# Altium PCB PCB_power_unit_2.PcbDoc
Units mm, origin at the board's own origin, x right, y up, seen from the top; angles counter-clockwise.
Board outline 73.5 x 57.52 mm, 4 copper layers (Top Layer, INT1, INT2, Bottom Layer), stack 1.49 mm thick; 104 components, 48 nets, 347 pads, 126 vias.
Unrouted connection lines stored in the file: 109.
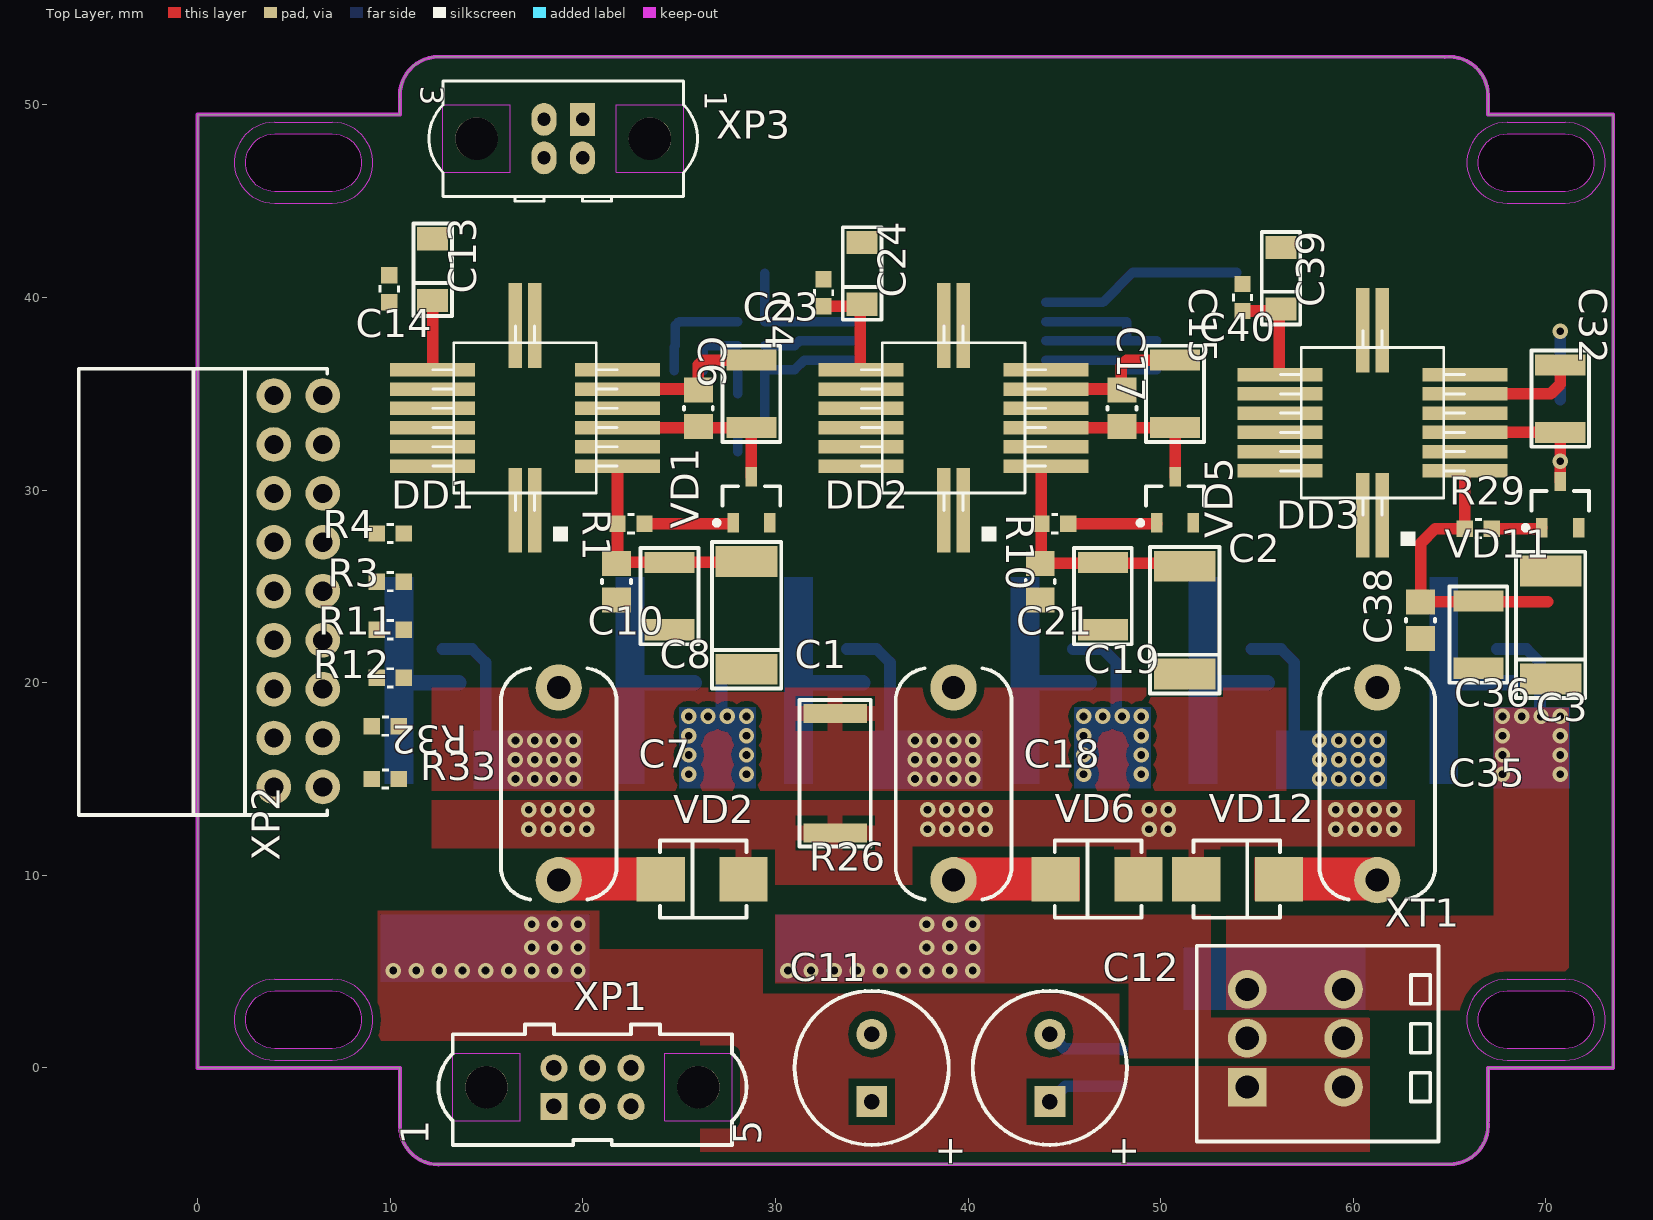
[diagram p0: Top Layer view]
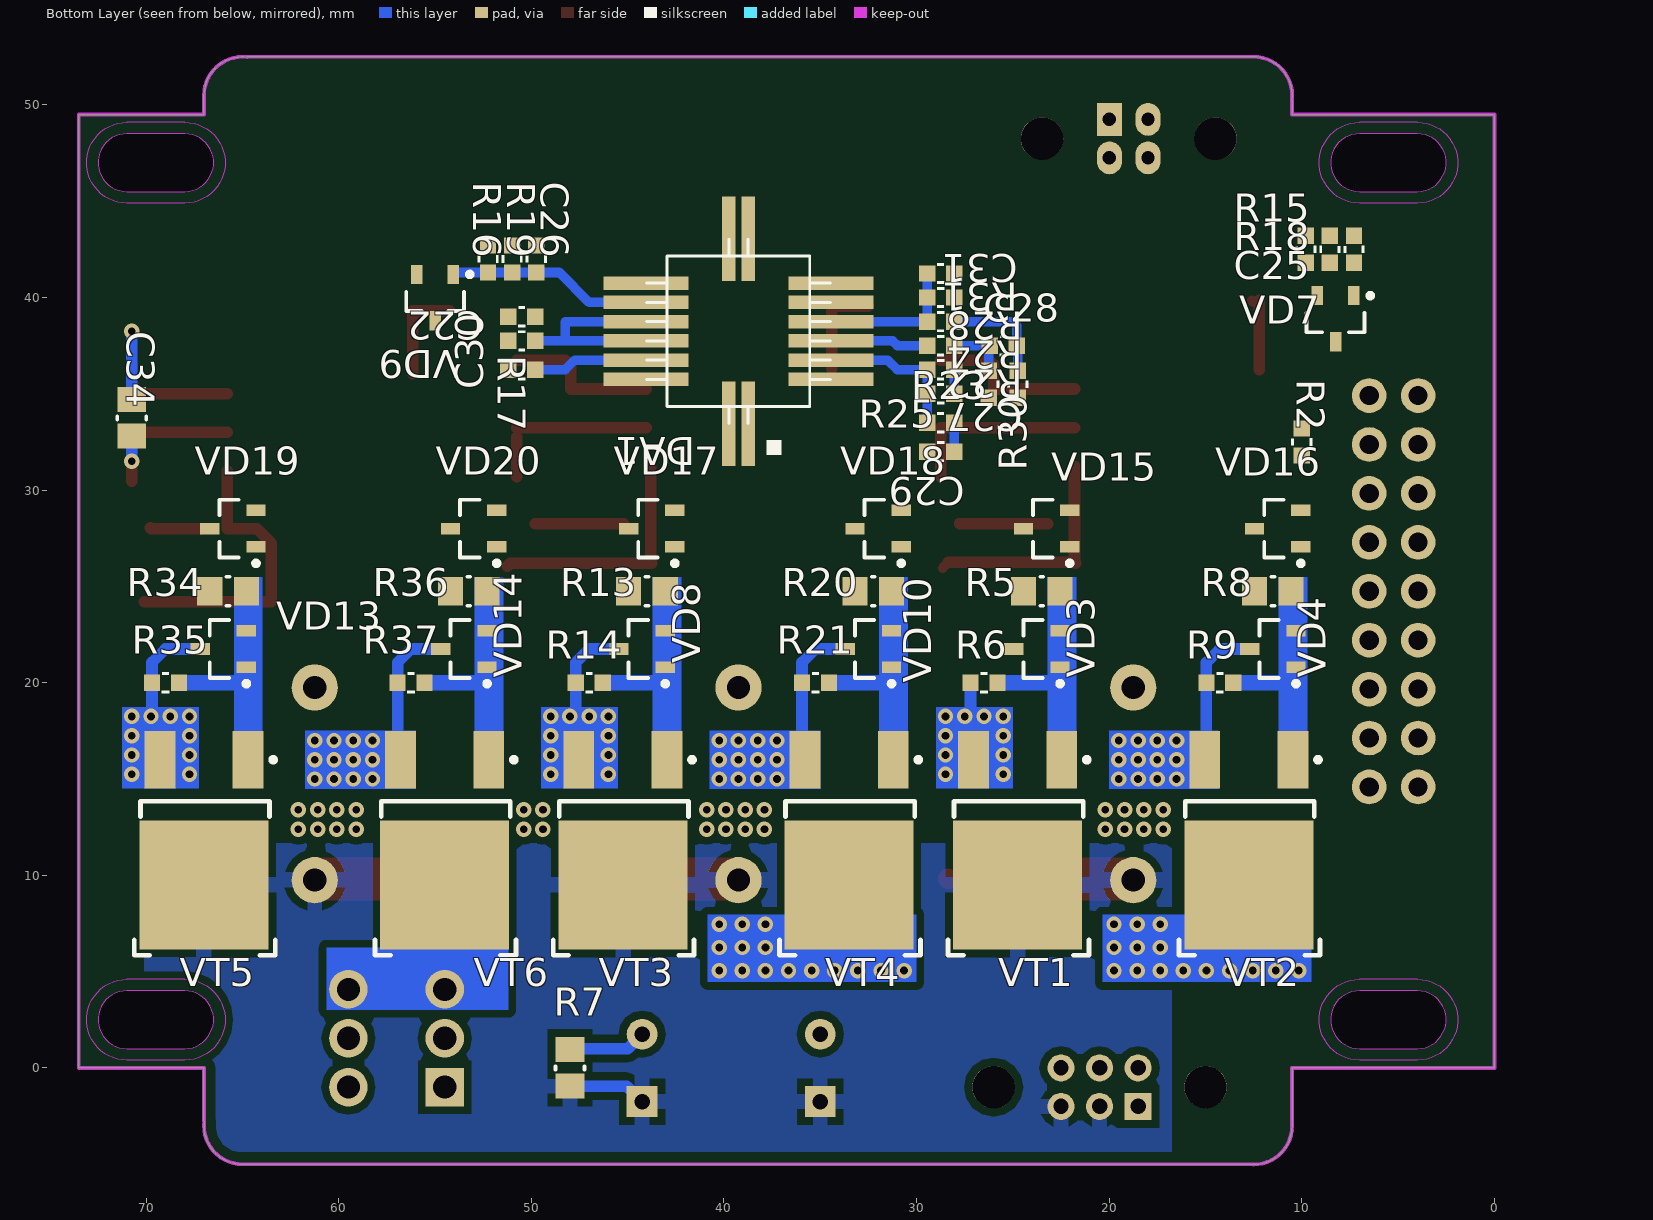
[diagram p1: Bottom Layer view, seen from below]
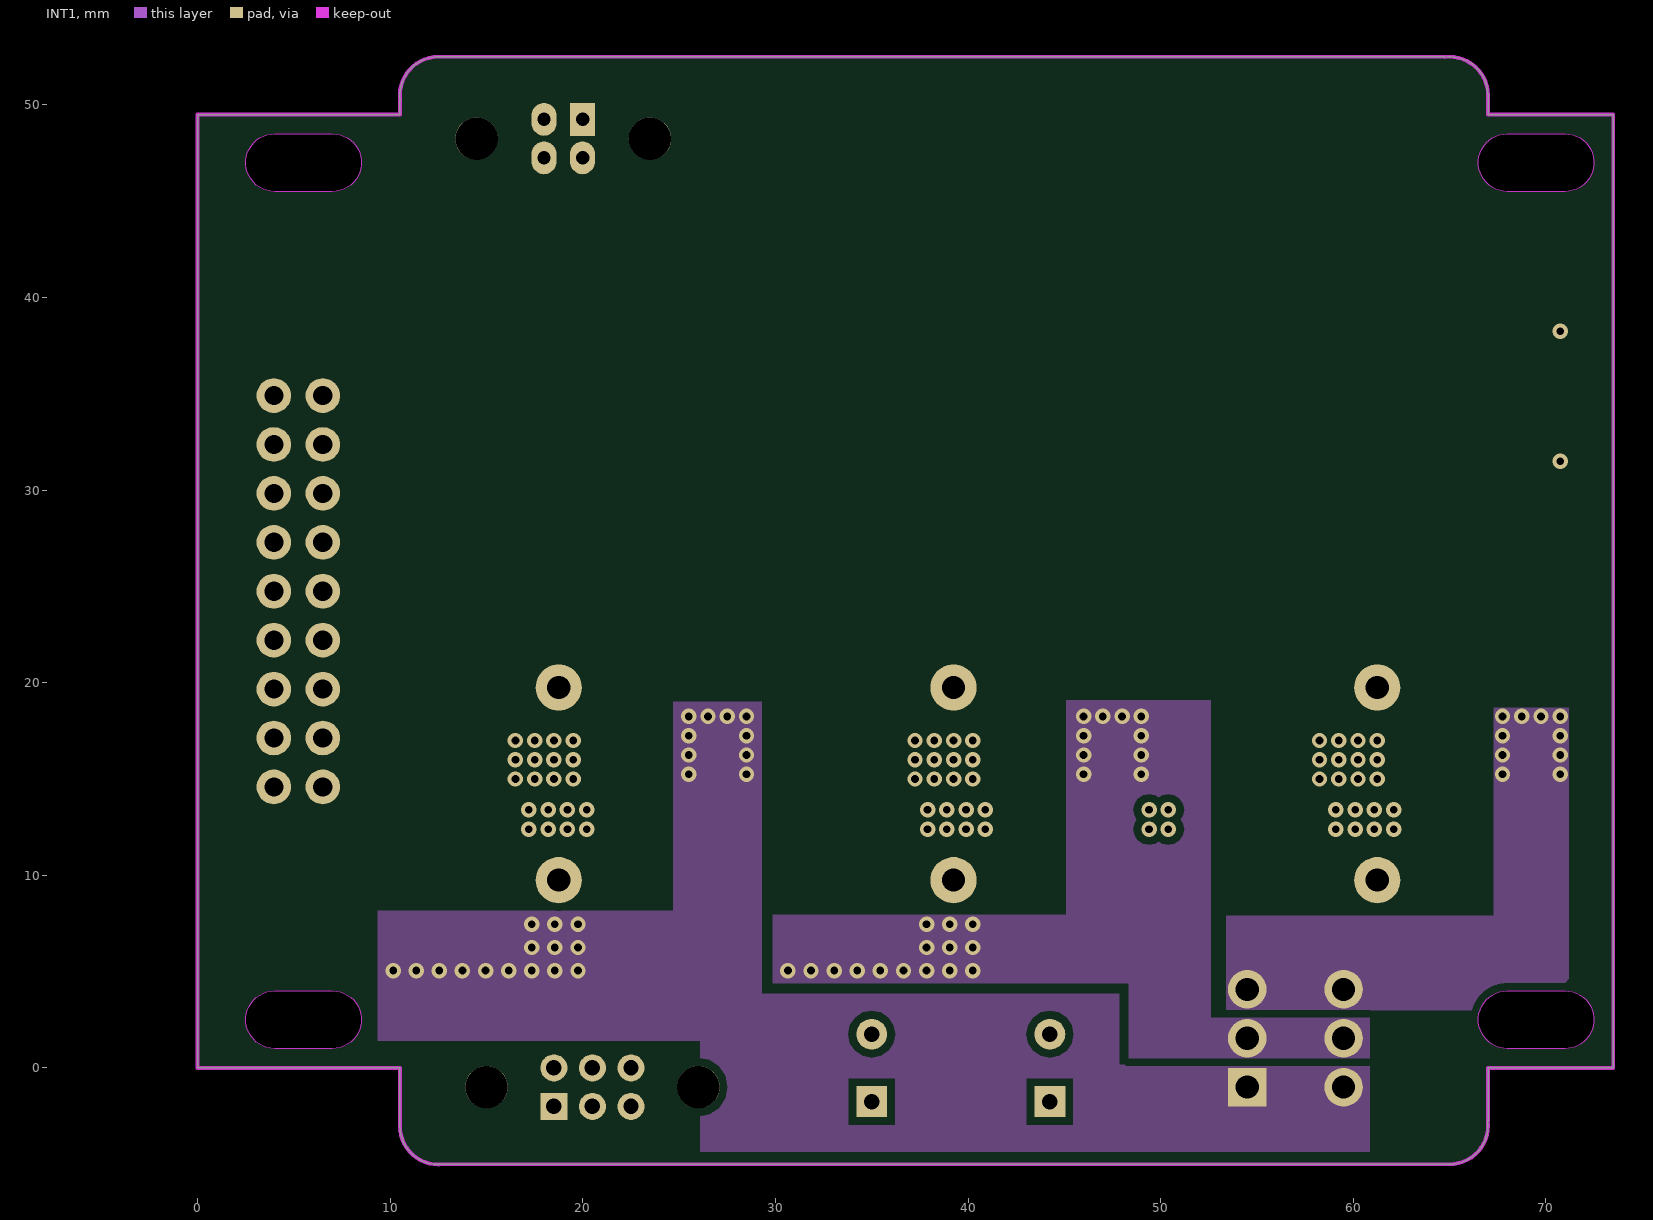
[diagram p2: INT1]
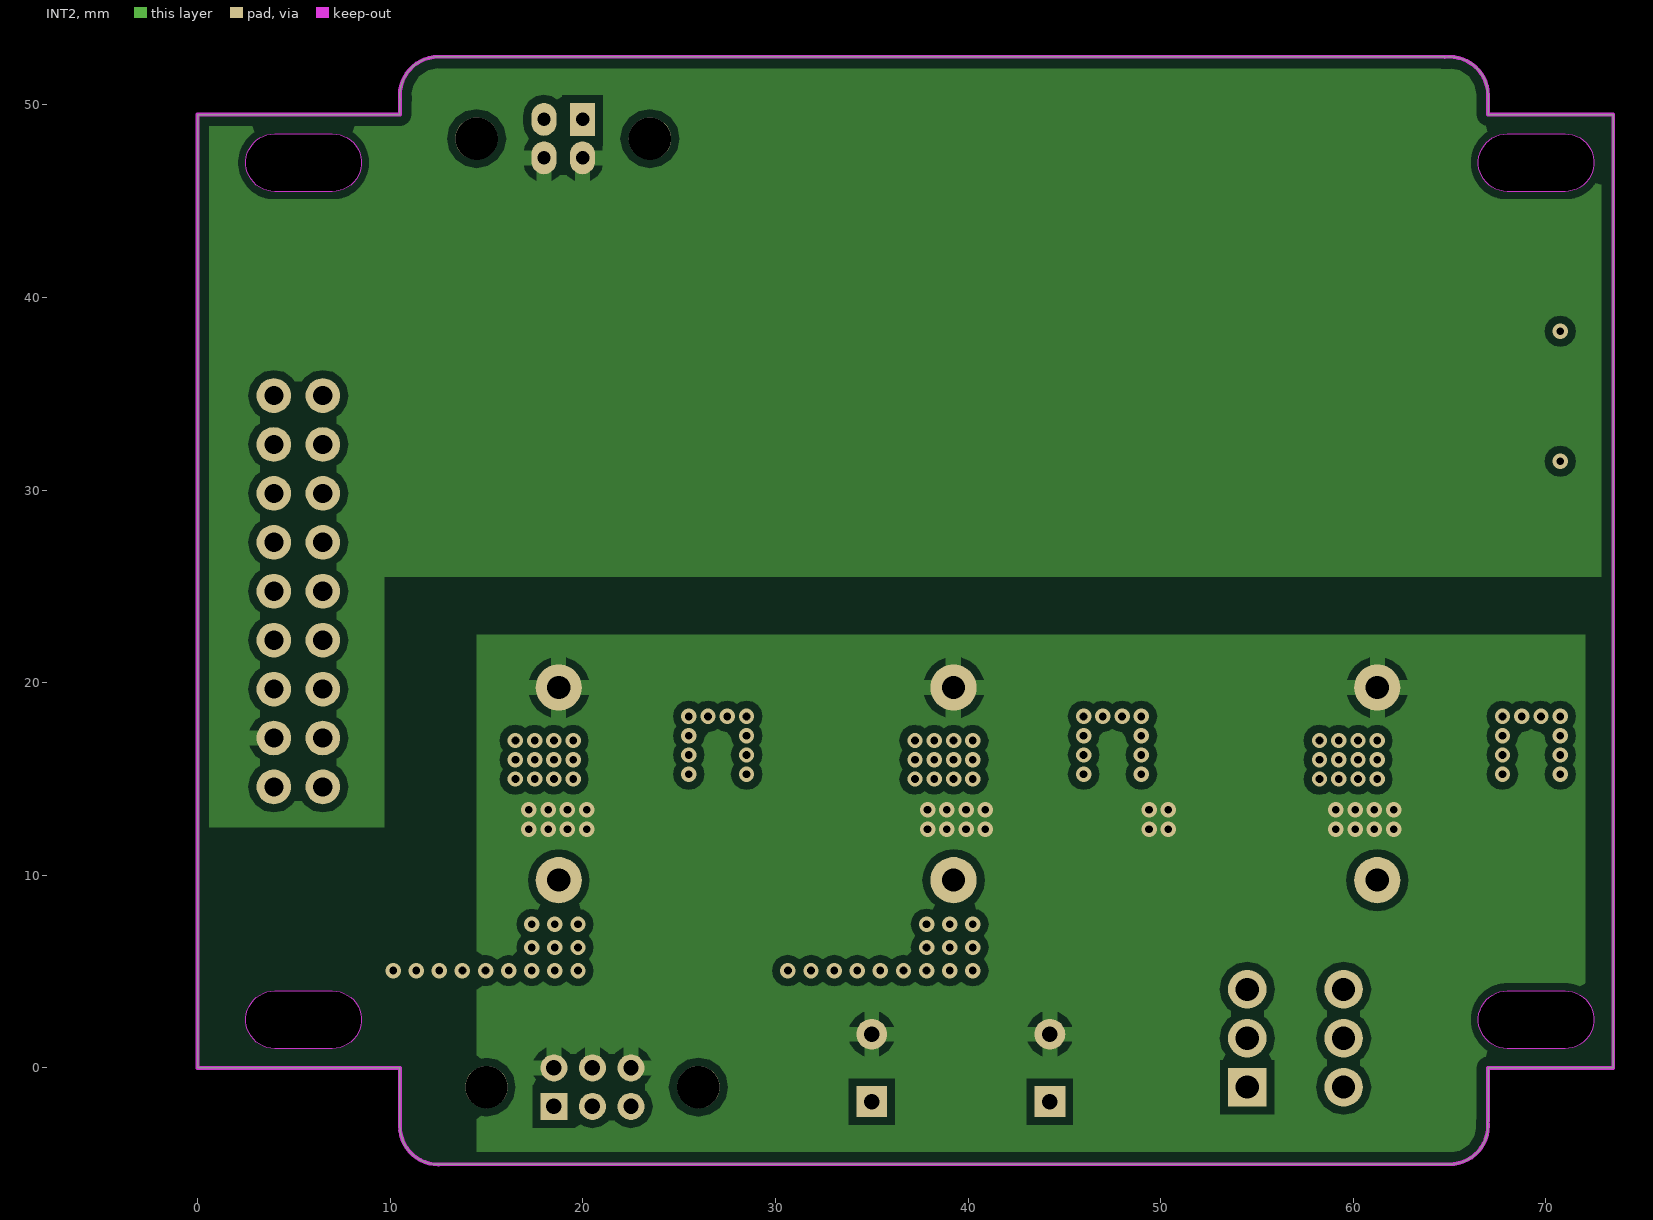
[diagram p3: INT2]

## Layer stack, top to bottom
Top Solder: solder mask 0.0102, Solder Resist, Dk 3.5
Top Layer: signal copper 0.035
PREPREG1: prepreg 0.32, 2116+7628, Dk 4.2
INT1: signal copper 0.035
CORE1: core 0.71, FR-4, Dk 4.2
INT2: signal copper 0.035
PREPREG2: prepreg 0.32, 2116+7628, Dk 4.2
Bottom Layer: signal copper 0.035
Bottom Solder: solder mask 0.0102, Solder Resist, Dk 3.5

## Board outline
10.5,-3.015 10.5,0 0,0 0,49.5 10.5,49.5 10.5,50.252 10.515,50.252 cw(c12.5,50.5) 12.5,52.5 64.752,52.5 64.752,52.485 cw(c65,50.5) 67,50.5 67,49.5 73.5,49.5 73.5,0 67,0 67,-2.752 66.985,-2.752 cw(c65,-3) 65,-5 12.75,-5 cw(c12.502,-3.015)
cut-out: 68,4.003 71,4.003 cw(c71,2.503) 71,1.003 68,1.003 cw(c68,2.503)
cut-out: 4,4.003 7,4.003 cw(c7,2.503) 7,1.003 4,1.003 cw(c4,2.503)
cut-out: 68,48.503 71,48.503 cw(c71,47.003) 71,45.503 68,45.503 cw(c68,47.003)
cut-out: 4,48.503 7,48.503 cw(c7,47.003) 7,45.503 4,45.503 cw(c4,47.003)

## Design rules (kind name [scope] priority, off if disabled: settings)
Clearance KeepOurLayer [OnLayer('Keep-Out Layer')] p1: gap=0.5 ignorepadtopadclearanceinfootprint=FALSE except(0: Arc-Hole Track-Hole SMDPad-Hole THPad-Hole Via-Hole Fill-Hole Poly-Hole Region-Hole Text-Hole)
Clearance "Clearance_+27V and PGND" [InNetClass('DCBUS') vs InNetClass('DCBUS')] p2: gap=0.5 ignorepadtopadclearanceinfootprint=FALSE // между 27В и PGND
Clearance Clearance_DCBUS-Phases [InNetClass('DCBUS') vs InNetClass('MotorPhases')] p3: gap=0.5 ignorepadtopadclearanceinfootprint=FALSE // между ЗПТ и фазами
Clearance Clearance_Polygon [InPolygon] p4: gap=0.4 ignorepadtopadclearanceinfootprint=FALSE except(0: Arc-Hole Track-Hole SMDPad-Hole THPad-Hole Via-Hole Fill-Hole Poly-Hole Region-Hole Text-Hole)
Clearance Clearance_Fill [IsFill] p5: gap=0 ignorepadtopadclearanceinfootprint=FALSE
Clearance Clearance_IsRegion [IsRegion] p6: gap=0 ignorepadtopadclearanceinfootprint=FALSE
Clearance Clearance_MultiLayerPad [OnLayer('Multi-Layer') and IsPad] p7: gap=0.25 ignorepadtopadclearanceinfootprint=FALSE
Clearance [All] p8: gap=0.2 ignorepadtopadclearanceinfootprint=FALSE except(0: Arc-Hole Track-Hole SMDPad-Hole THPad-Hole Via-Hole Fill-Hole Poly-Hole Region-Hole Text-Hole; 0.25: SMDPad-Via THPad-Via)
ComponentClearance ComponentClearance_harwin [InComponent('XP1')] p1: gap=0.254 collisioncheckmode=3 verticalgap=2540 showdistances=FALSE
ComponentClearance ComponentClearance_caps [HasFootprint('CAP: 1210') vs HasFootprint('CAP: 1210')] p2: gap=-1 collisioncheckmode=3 verticalgap=2540 showdistances=FALSE
ComponentClearance [All] p3: gap=0.254 collisioncheckmode=3 verticalgap=0.254 showdistances=FALSE
DiffPairsRouting [All] p1: maxlimit=0.254 minlimit=0.15 mostfreqgap=0.254 toplayer_minwidth=0.15 toplayer_maxwidth=0.381 toplayer_prefwidth=0.381 midlayer1_minwidth=0.15 midlayer1_maxwidth=0.381 midlayer1_prefwidth=0.381 midlayer2_minwidth=0.15 midlayer2_maxwidth=0.381 midlayer2_prefwidth=0.381 bottomlayer_minwidth=0.15 bottomlayer_maxwidth=0.381 bottomlayer_prefwidth=0.381 maxuncoupledlength=12.7
Height [All] p1: minheight=0 maxheight=60 prefheight=12.7
HoleSize [All] p1: absolutevalues=TRUE maxlimit=5 minlimit=0.3 maxpercent=80.000 minpercent=20.000
HoleToHoleClearance [All] p1: gap=0.2 allowstackedmicrovias=TRUE
MinimumAnnularRing MinimumAnnularRing_1 [All] p1: minimumring=0.2
MinimumSolderMaskSliver [All] p1: minsoldermaskwidth=0.15
PlaneClearance [All] p1: clearance=0.5
PlaneConnect [All] p1: planeconnectstyle=Relief reliefexpansion=0.5 reliefentries=4 reliefconductorwidth=0.3 reliefairgap=0.2
PolygonConnect PolygonConnect_direct [All vs InPadClass('PowerPAD')] p1: connectstyle=Direct reliefconductorwidth=1 reliefentries=4 polygonreliefangle="90 Angle" airgapwidth=0.3
PolygonConnect PolygonConnect_thik [InComponentClass('+27 MOSFET')] p2: connectstyle=Relief reliefconductorwidth=1.5 reliefentries=4 polygonreliefangle="90 Angle" airgapwidth=0.3
PolygonConnect PolygonConnect_Via [IsVia] p3: connectstyle=Direct reliefconductorwidth=0.254 reliefentries=4 polygonreliefangle="90 Angle" airgapwidth=0.254
PolygonConnect [All] p4: connectstyle=Relief reliefconductorwidth=0.8 reliefentries=4 polygonreliefangle="90 Angle" airgapwidth=0.4
RoomDefinition power_unit [InComponentClass('power_unit')] p1: confinementstyle=ConfineIn formatcopy=TRUE lockcomponents=FALSE outline -143,-130 -92.2,-130 -92.2,-104.6 -143,-104.6
RoutingVias [All] p1: holewidth=0.3 width=0.7 viastyle="Through Hole" minholewidth=0.3 minwidth=0.7 maxholewidth=0.5 maxwidth=1.2
SilkToSilkClearance [All] p1: silktosilkclearance=0
SilkToSolderMaskClearance [IsPad] p1: minsilkscreentomaskgap=0.005 clearancetoexposedcopper=TRUE
SolderMaskExpansion [All] p1: expansion=0.1
UnRoutedNet [All] p1 off:
UnpouredPolygon [All] p1 off:
Width [All] p1: maxlimit=10 minlimit=0.2 preferedwidth=0.6
18 further rules are at their usual default settings.

## Classes and differential pairs
pad class PowerPad: XT1-1 XT1-2 XT1-3

## Components (designator, comment, footprint, x,y, rotation, side; value= is the part's Value field where it differs from the comment)
C1 "Tantalum capacitor, 10мк, 25V, ±10%, 0.8-1Ohm, case C (6032), -60...+125°C" "CAP: TANTAL-C" 28.5,23.5 r90 top value=10мк
C2 "Tantalum capacitor, 10мк, 25V, ±10%, 0.8-1Ohm, case C (6032), -60...+125°C" "CAP: TANTAL-C" 51.25,23.25 r90 top value=10мк
C3 "Tantalum capacitor, 10мк, 25V, ±10%, 0.8-1Ohm, case C (6032), -60...+125°C" "CAP: TANTAL-C" 70.25,23 r90 top value=10мк
C4 "Ceramic capacitor, 1мк, Н20 (X7R), ±10%, 25V, 1210, -55...+125°C" "CAP: 1210" 28.75,35 r270 top value=1мк
C6 "Ceramic capacitor, 0.1мк, Н90 (Y5V), +80 -20%, 50V, 0805 (2012), -55...+125°C" "CAP: 0805P" 26,34.25 r270 top value=0.1мк
C7 "Film capacitor, 0.22мк, 63VDC, ±10%, Impedance, 12x10 mm, -60...+125°C" "CAP: K73-17 12X10X6" 18.75,14.75 r90 top value=0.22мк
C8 "Ceramic capacitor, 1мк, Н20 (X7R), ±10%, 25V, 1210, -55...+125°C" "CAP: 1210" 24.5,24.5 r90 top value=1мк
C10 "Ceramic capacitor, 0.1мк, Н90 (Y5V), +80 -20%, 50V, 0805 (2012), -55...+125°C" "CAP: 0805P" 21.75,25.25 r90 top value=0.1мк
C11 "Aluminium capacitor, 100мк, 63V, ±20%, 0.342Ohm@100kHz, 8x11.3x3.5 mm, -60...+100°C" "CAP: D8C3.5H12" 35,0 r90 top value=100мк
C12 "Aluminium capacitor, 100мк, 63V, ±20%, 0.342Ohm@100kHz, 8x11.3x3.5 mm, -60...+100°C" "CAP: D8C3.5H12" 44.25,0 r90 top value=100мк
C13 "Tantalum capacitor, 4.7мк, 10V, ±10%, 2Ohm, case A (3216), -55...+125°C" "CAP: TANTAL-A" 12.2,41.45 r90 top value=4.7мк
C14 "Ceramic capacitor, 0.1мк, H90, +80-20%, 10V, 0603, -55...+125°C" "CAP: 0603P" 9.95,40.45 r270 top value=0.1мк
C15 "Ceramic capacitor, 1мк, Н20 (X7R), ±10%, 25V, 1210, -55...+125°C" "CAP: 1210" 50.75,35 r270 top value=1мк
C17 "Ceramic capacitor, 0.1мк, Н90 (Y5V), +80 -20%, 50V, 0805 (2012), -55...+125°C" "CAP: 0805P" 48,34.25 r270 top value=0.1мк
C18 "Film capacitor, 0.22мк, 63VDC, ±10%, Impedance, 12x10 mm, -60...+125°C" "CAP: K73-17 12X10X6" 39.25,14.75 r90 top value=0.22мк
C19 "Ceramic capacitor, 1мк, Н20 (X7R), ±10%, 25V, 1210, -55...+125°C" "CAP: 1210" 47,24.5 r90 top value=1мк
C21 "Ceramic capacitor, 0.1мк, Н90 (Y5V), +80 -20%, 50V, 0805 (2012), -55...+125°C" "CAP: 0805P" 43.75,25.25 r90 top value=0.1мк
C22 "Ceramic capacitor, 0.01мк, H20, ±20%, 50V, 0603, -55...+125°C" "CAP: 0603P" 50.5,39 r180 bottom value=0.01мк
C23 "Ceramic capacitor, 0.1мк, H90, +80-20%, 10V, 0603, -55...+125°C" "CAP: 0603P" 32.5,40.25 r270 top value=0.1мк
C24 "Tantalum capacitor, 4.7мк, 10V, ±10%, 2Ohm, case A (3216), -55...+125°C" "CAP: TANTAL-A" 34.5,41.25 r90 top value=4.7мк
C25 "Ceramic capacitor, 0.01мк, H20, ±20%, 50V, 0603, -55...+125°C" "CAP: 0603P" 7.29,42.5 r90 bottom value=0.01мк
C26 "Ceramic capacitor, 0.01мк, H20, ±20%, 50V, 0603, -55...+125°C" "CAP: 0603P" 49.75,42 r90 bottom value=0.01мк
C27 "Ceramic capacitor, 47, МП0, ±10%, 50V, 0603, -55...+125°C" "CAP: 0603P" 28.75,35 r180 bottom value=47
C28 "Ceramic capacitor, 0.01мк, H20, ±20%, 50V, 0603, -55...+125°C" "CAP: 0603P" 25.5,37.5 r180 bottom value=0.01мк
C29 "Ceramic capacitor, 0.01мк, H20, ±20%, 50V, 0603, -55...+125°C" "CAP: 0603P" 28.75,32 r0 bottom value=0.01мк
C30 "Ceramic capacitor, 0.1мк, H90, +80-20%, 10V, 0603, -55...+125°C" "CAP: 0603P" 50.5,36.25 r180 bottom value=0.1мк
C31 "Ceramic capacitor, 47, МП0, ±10%, 50V, 0603, -55...+125°C" "CAP: 0603P" 28.75,41.25 r180 bottom value=47
C32 "Ceramic capacitor, 1мк, Н20 (X7R), ±10%, 25V, 1210, -55...+125°C" "CAP: 1210" 70.75,34.75 r270 top value=1мк
C34 "Ceramic capacitor, 0.1мк, Н90 (Y5V), +80 -20%, 50V, 0805 (2012), -55...+125°C" "CAP: 0805P" 70.75,33.75 r270 bottom value=0.1мк
C35 "Film capacitor, 0.22мк, 63VDC, ±10%, Impedance, 12x10 mm, -60...+125°C" "CAP: K73-17 12X10X6" 61.25,14.75 r90 top value=0.22мк
C36 "Ceramic capacitor, 1мк, Н20 (X7R), ±10%, 25V, 1210, -55...+125°C" "CAP: 1210" 66.5,22.5 r90 top value=1мк
C38 "Ceramic capacitor, 0.1мк, Н90 (Y5V), +80 -20%, 50V, 0805 (2012), -55...+125°C" "CAP: 0805P" 63.5,23.25 r90 top value=0.1мк
C39 "Tantalum capacitor, 4.7мк, 10V, ±10%, 2Ohm, case A (3216), -55...+125°C" "CAP: TANTAL-A" 56.25,41 r90 top value=4.7мк
C40 "Ceramic capacitor, 0.1мк, H90, +80-20%, 10V, 0603, -55...+125°C" "CAP: 0603P" 54.25,40 r270 top value=0.1мк
DA1 "544УД16У3 (Н04.16-1В) АЕЯР.431130.510 ТУ_разнесенная 1" 16-Н04.16-1B 39.25,38.25 r0 bottom
DD1 "Hight&Low side gate driver, VoltageWork, Frequency, 2A, supply 4...15V, Temperature, Н04.16-2В" 16-Н04.16-1B 17,33.75 r180 top
DD2 "Hight&Low side gate driver, VoltageWork, Frequency, 2A, supply 4...15V, Temperature, Н04.16-2В" 16-Н04.16-1B 39.25,33.75 r180 top
DD3 "Hight&Low side gate driver, VoltageWork, Frequency, 2A, supply 4...15V, Temperature, Н04.16-2В" 16-Н04.16-1B 61,33.5 r180 top
R1 "Resistor film, 10, ±5%, 0603, 0.1W, -55...+125°C" "RES: 0603P" 22.5,28.25 r0 top value=10
R2 "Resistor film, 10k, ±5%, 0603, 0.1W, -55...+125°C" "RES: 0603P" 10,32.5 r90 bottom value=10k
R3 "Resistor film, 10k, ±5%, 0603, 0.1W, -55...+125°C" "RES: 0603P" 10,25.25 r180 top value=10k
R4 "Resistor film, 10k, ±5%, 0603, 0.1W, -55...+125°C" "RES: 0603P" 10,27.75 r180 top value=10k
R5 "Resistor film, 20, ±5%, 0805, 0.125W, -55...+125°C" "RES: 0805P" 23.5,24.75 r180 bottom value=20
R6 "Resistor film, 10k, ±5%, 0603, 0.1W, -55...+125°C" "RES: 0603P" 26.5,20 r180 bottom value=10k
R7 "Resistor film, 10k, ±1%, 0805, 0.125W, -55...+125°C" "CAP: 0805P" 48,0 r270 bottom value=10k
R8 "Resistor film, 20, ±5%, 0805, 0.125W, -55...+125°C" "RES: 0805P" 11.5,24.75 r180 bottom value=20
R9 "Resistor film, 10k, ±5%, 0603, 0.1W, -55...+125°C" "RES: 0603P" 14.25,20 r180 bottom value=10k
R10 "Resistor film, 10, ±5%, 0603, 0.1W, -55...+125°C" "RES: 0603P" 44.5,28.25 r0 top value=10
R11 "Resistor film, 10k, ±5%, 0603, 0.1W, -55...+125°C" "RES: 0603P" 10,22.75 r180 top value=10k
R12 "Resistor film, 10k, ±5%, 0603, 0.1W, -55...+125°C" "RES: 0603P" 10,20.25 r180 top value=10k
R13 "Resistor film, 20, ±5%, 0805, 0.125W, -55...+125°C" "RES: 0805P" 44,24.75 r180 bottom value=20
R14 "Resistor film, 10k, ±5%, 0603, 0.1W, -55...+125°C" "RES: 0603P" 47,20 r180 bottom value=10k
R15 "Resistor film, 28k, ±1%, 0603, 0.1W, -55...+125°C" "RES: 0603P" 9.79,42.5 r90 bottom value=28k